# KiCad board prrplsattiny20_panel.kicad_pcb
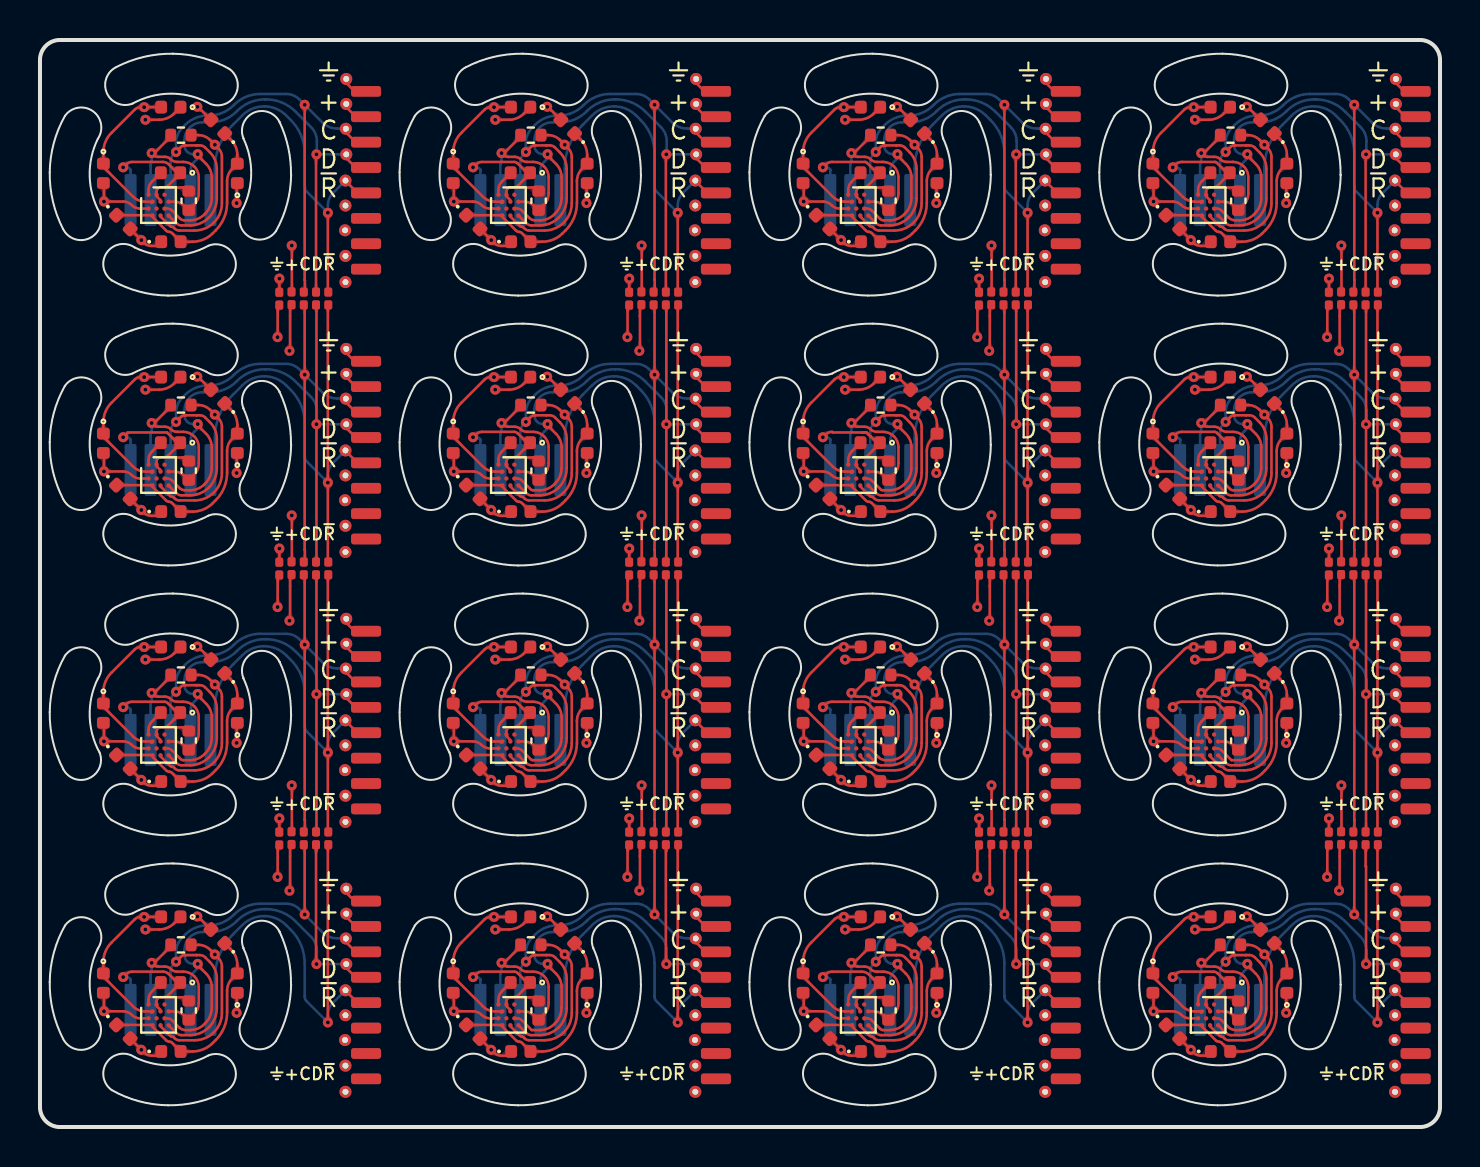
[diagram p0: board, top side]
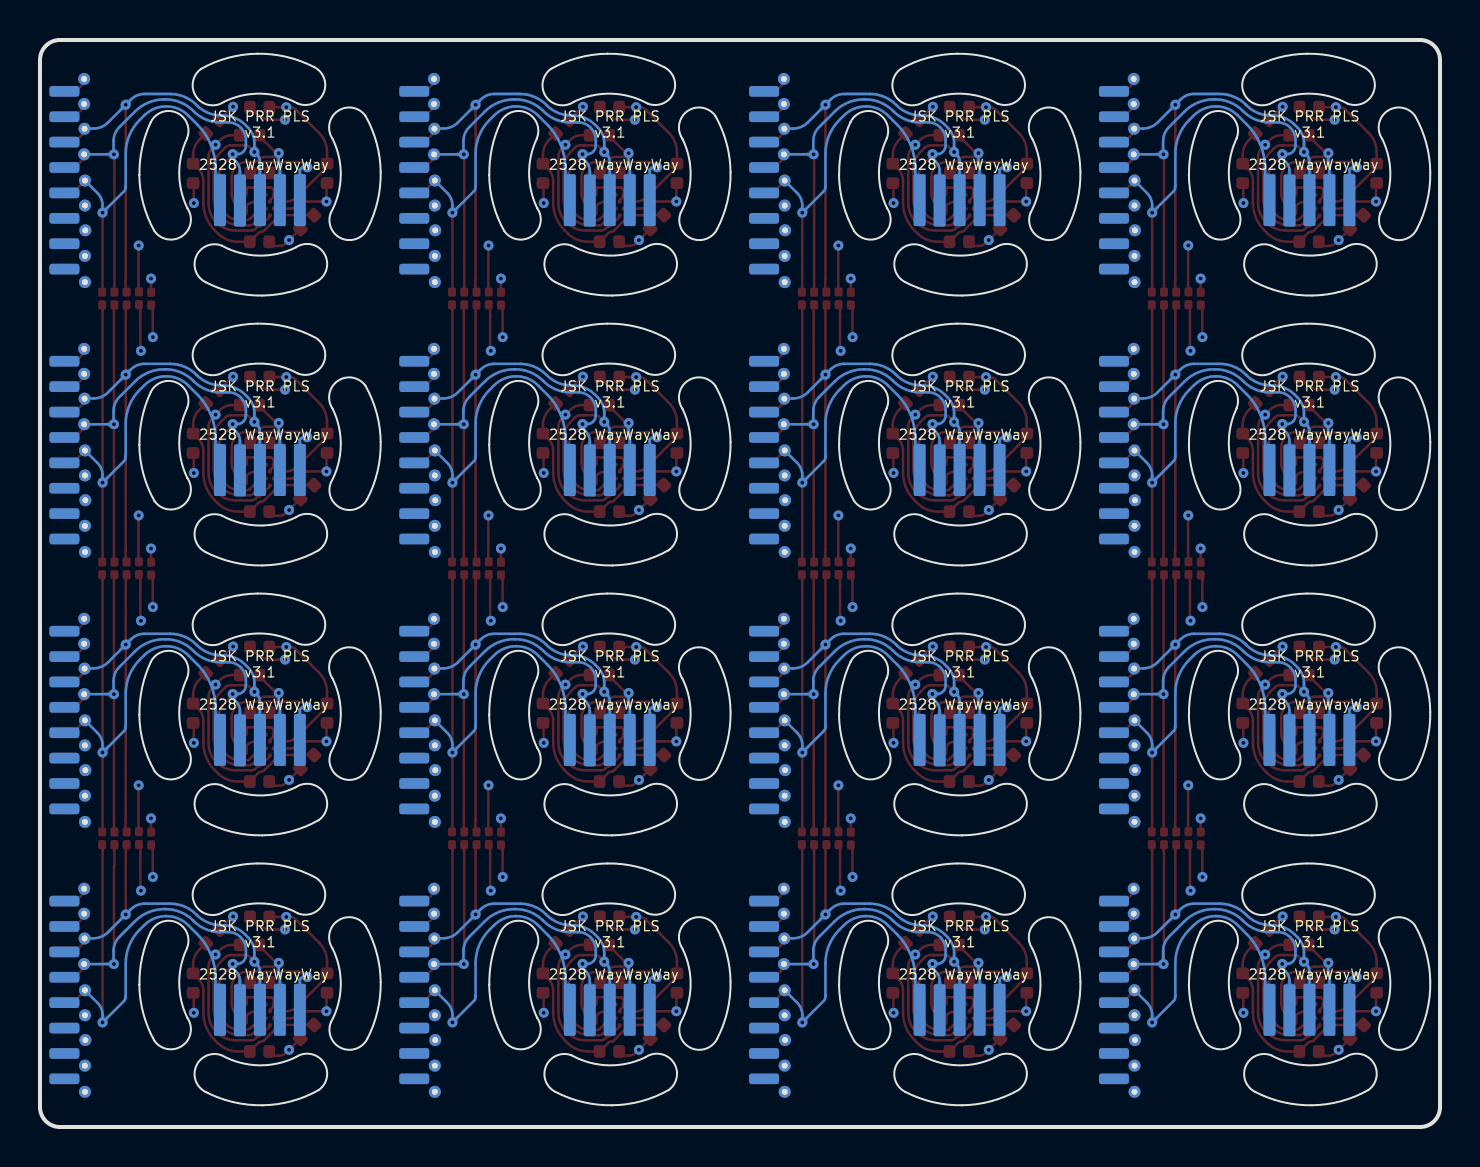
[diagram p1: board, bottom side, seen from below]

Outline 70.03 x 54.37 mm; copper layers: Top, In1.Cu, In2.Cu, Bottom. Coordinates in mm from the lower left corner of the outline.
Outline path: 0,53.37 arc(0.29,54.08) 1,54.37 69.03,54.37 arc(69.74,54.08) 70.03,53.37 70.03,1 arc(69.74,0.29) 69.03,0 1,0 arc(0.29,0.29) 0,1 0,53.37 ; 0.49,47.75 arc(0.69,49.21) 1.25,50.57 arc(2.64,50.82) 2.89,49.43 arc(2.49,47.57) 2.98,45.73 arc(2.46,44.45) 1.16,44.91 arc(0.65,46.29) 0.49,47.75 ; 0.49,34.25 arc(0.69,35.71) 1.25,37.07 arc(2.64,37.32) 2.89,35.93 arc(2.49,34.07) 2.98,32.23 arc(2.46,30.95) 1.16,31.41 arc(0.65,32.79) 0.49,34.25 ; 0.49,20.75 arc(0.69,22.21) 1.25,23.57 arc(2.64,23.82) 2.89,22.43 arc(2.49,20.57) 2.98,18.73 arc(2.46,17.45) 1.16,17.91 arc(0.65,19.29) 0.49,20.75 ; 0.49,7.25 arc(0.69,8.71) 1.25,10.07 arc(2.64,10.32) 2.89,8.93 arc(2.49,7.07) 2.98,5.23 arc(2.46,3.95) 1.16,4.41 arc(0.65,5.79) 0.49,7.25 ; 3.59,42.35 arc(3.34,43.74) 4.73,43.99 arc(6.59,43.59) 8.43,44.08 arc(9.71,43.56) 9.25,42.26 arc(7.87,41.75) 6.41,41.59 arc(4.95,41.79) 3.59,42.35 ; 3.59,28.85 arc(3.34,30.24) 4.73,30.49 arc(6.59,30.09) 8.43,30.58 arc(9.71,30.06) 9.25,28.76 arc(7.87,28.25) 6.41,28.09 arc(4.95,28.29) 3.59,28.85 ; 3.59,15.35 arc(3.34,16.74) 4.73,16.99 arc(6.59,16.59) 8.43,17.08 arc(9.71,16.56) 9.25,15.26 arc(7.87,14.75) 6.41,14.59 arc(4.95,14.79) 3.59,15.35 ; 3.59,1.85 arc(3.34,3.24) 4.73,3.49 arc(6.59,3.09) 8.43,3.58 arc(9.71,3.06) 9.25,1.76 arc(7.87,1.25) 6.41,1.09 arc(4.95,1.29) 3.59,1.85 ; 3.81,53.01 arc(5.19,53.52) 6.65,53.68 arc(8.11,53.48) 9.47,52.92 arc(9.72,51.53) 8.33,51.28 arc(6.47,51.68) 4.63,51.19 arc(3.35,51.71) 3.81,53.01 ; 3.81,39.51 arc(5.19,40.02) 6.65,40.18 arc(8.11,39.98) 9.47,39.42 arc(9.72,38.03) 8.33,37.78 arc(6.47,38.18) 4.63,37.69 arc(3.35,38.21) 3.81,39.51 ; 3.81,26.01 arc(5.19,26.52) 6.65,26.68 arc(8.11,26.48) 9.47,25.92 arc(9.72,24.53) 8.33,24.28 arc(6.47,24.68) 4.63,24.19 arc(3.35,24.71) 3.81,26.01 ; 3.81,12.51 arc(5.19,13.02) 6.65,13.18 arc(8.11,12.98) 9.47,12.42 arc(9.72,11.03) 8.33,10.78 arc(6.47,11.18) 4.63,10.69 arc(3.35,11.21) 3.81,12.51 ; 10.17,49.46 10.17,49.44 arc(10.57,47.7) 10.16,45.95 arc(10.41,44.56) 11.8,44.81 arc(12.36,46.17) 12.56,47.63 12.56,47.63 arc(12.42,48.98) 11.98,50.27 arc(10.69,50.73) 10.17,49.46 ; 10.17,35.96 10.17,35.94 arc(10.57,34.2) 10.16,32.45 arc(10.41,31.06) 11.8,31.31 arc(12.36,32.67) 12.56,34.13 12.56,34.13 arc(12.42,35.48) 11.98,36.77 arc(10.69,37.23) 10.17,35.96 ; 10.17,22.46 10.17,22.44 arc(10.57,20.7) 10.16,18.95 arc(10.41,17.56) 11.8,17.81 arc(12.36,19.17) 12.56,20.63 12.56,20.63 arc(12.42,21.98) 11.98,23.27 arc(10.69,23.73) 10.17,22.46 ; 10.17,8.96 10.17,8.94 arc(10.57,7.2) 10.16,5.45 arc(10.41,4.06) 11.8,4.31 arc(12.36,5.67) 12.56,7.13 12.56,7.13 arc(12.42,8.48) 11.98,9.77 arc(10.69,10.23) 10.17,8.96 ; 17.99,47.75 arc(18.19,49.21) 18.75,50.57 arc(20.14,50.82) 20.39,49.43 arc(19.99,47.57) 20.48,45.73 arc(19.96,44.45) 18.66,44.91 arc(18.15,46.29) 17.99,47.75 ; 17.99,34.25 arc(18.19,35.71) 18.75,37.07 arc(20.14,37.32) 20.39,35.93 arc(19.99,34.07) 20.48,32.23 arc(19.96,30.95) 18.66,31.41 arc(18.15,32.79) 17.99,34.25 ; 17.99,20.75 arc(18.19,22.21) 18.75,23.57 arc(20.14,23.82) 20.39,22.43 arc(19.99,20.57) 20.48,18.73 arc(19.96,17.45) 18.66,17.91 arc(18.15,19.29) 17.99,20.75 ; 17.99,7.25 arc(18.19,8.71) 18.75,10.07 arc(20.14,10.32) 20.39,8.93 arc(19.99,7.07) 20.48,5.23 arc(19.96,3.95) 18.66,4.41 arc(18.15,5.79) 17.99,7.25 ; 21.09,42.35 arc(20.84,43.74) 22.23,43.99 arc(24.09,43.59) 25.93,44.08 arc(27.21,43.56) 26.75,42.26 arc(25.37,41.75) 23.91,41.59 arc(22.45,41.79) 21.09,42.35 ; 21.09,28.85 arc(20.84,30.24) 22.23,30.49 arc(24.09,30.09) 25.93,30.58 arc(27.21,30.06) 26.75,28.76 arc(25.37,28.25) 23.91,28.09 arc(22.45,28.29) 21.09,28.85 ; 21.09,15.35 arc(20.84,16.74) 22.23,16.99 arc(24.09,16.59) 25.93,17.08 arc(27.21,16.56) 26.75,15.26 arc(25.37,14.75) 23.91,14.59 arc(22.45,14.79) 21.09,15.35 ; 21.09,1.85 arc(20.84,3.24) 22.23,3.49 arc(24.09,3.09) 25.93,3.58 arc(27.21,3.06) 26.75,1.76 arc(25.37,1.25) 23.91,1.09 arc(22.45,1.29) 21.09,1.85 ; 21.31,53.01 arc(22.69,53.52) 24.15,53.68 arc(25.61,53.48) 26.97,52.92 arc(27.22,51.53) 25.83,51.28 arc(23.97,51.68) 22.13,51.19 arc(20.85,51.71) 21.31,53.01 ; 21.31,39.51 arc(22.69,40.02) 24.15,40.18 arc(25.61,39.98) 26.97,39.42 arc(27.22,38.03) 25.83,37.78 arc(23.97,38.18) 22.13,37.69 arc(20.85,38.21) 21.31,39.51 ; 21.31,26.01 arc(22.69,26.52) 24.15,26.68 arc(25.61,26.48) 26.97,25.92 arc(27.22,24.53) 25.83,24.28 arc(23.97,24.68) 22.13,24.19 arc(20.85,24.71) 21.31,26.01 ; 21.31,12.51 arc(22.69,13.02) 24.15,13.18 arc(25.61,12.98) 26.97,12.42 arc(27.22,11.03) 25.83,10.78 arc(23.97,11.18) 22.13,10.69 arc(20.85,11.21) 21.31,12.51 ; 27.67,49.46 27.67,49.44 arc(28.07,47.7) 27.66,45.95 arc(27.91,44.56) 29.3,44.81 arc(29.86,46.17) 30.06,47.63 30.06,47.63 arc(29.92,48.98) 29.48,50.27 arc(28.19,50.73) 27.67,49.46 ; 27.67,35.96 27.67,35.94 arc(28.07,34.2) 27.66,32.45 arc(27.91,31.06) 29.3,31.31 arc(29.86,32.67) 30.06,34.13 30.06,34.13 arc(29.92,35.48) 29.48,36.77 arc(28.19,37.23) 27.67,35.96 ; 27.67,22.46 27.67,22.44 arc(28.07,20.7) 27.66,18.95 arc(27.91,17.56) 29.3,17.81 arc(29.86,19.17) 30.06,20.63 30.06,20.63 arc(29.92,21.98) 29.48,23.27 arc(28.19,23.73) 27.67,22.46 ; 27.67,8.96 27.67,8.94 arc(28.07,7.2) 27.66,5.45 arc(27.91,4.06) 29.3,4.31 arc(29.86,5.67) 30.06,7.13 30.06,7.13 arc(29.92,8.48) 29.48,9.77 arc(28.19,10.23) 27.67,8.96 ; 35.49,47.75 arc(35.69,49.21) 36.25,50.57 arc(37.64,50.82) 37.89,49.43 arc(37.49,47.57) 37.98,45.73 arc(37.46,44.45) 36.16,44.91 arc(35.65,46.29) 35.49,47.75 ; 35.49,34.25 arc(35.69,35.71) 36.25,37.07 arc(37.64,37.32) 37.89,35.93 arc(37.49,34.07) 37.98,32.23 arc(37.46,30.95) 36.16,31.41 arc(35.65,32.79) 35.49,34.25 ; 35.49,20.75 arc(35.69,22.21) 36.25,23.57 arc(37.64,23.82) 37.89,22.43 arc(37.49,20.57) 37.98,18.73 arc(37.46,17.45) 36.16,17.91 arc(35.65,19.29) 35.49,20.75 ; 35.49,7.25 arc(35.69,8.71) 36.25,10.07 arc(37.64,10.32) 37.89,8.93 arc(37.49,7.07) 37.98,5.23 arc(37.46,3.95) 36.16,4.41 arc(35.65,5.79) 35.49,7.25 ; 38.59,42.35 arc(38.34,43.74) 39.73,43.99 arc(41.59,43.59) 43.43,44.08 arc(44.71,43.56) 44.25,42.26 arc(42.87,41.75) 41.41,41.59 arc(39.95,41.79) 38.59,42.35 ; 38.59,28.85 arc(38.34,30.24) 39.73,30.49 arc(41.59,30.09) 43.43,30.58 arc(44.71,30.06) 44.25,28.76 arc(42.87,28.25) 41.41,28.09 arc(39.95,28.29) 38.59,28.85 ; 38.59,15.35 arc(38.34,16.74) 39.73,16.99 arc(41.59,16.59) 43.43,17.08 arc(44.71,16.56) 44.25,15.26 arc(42.87,14.75) 41.41,14.59 arc(39.95,14.79) 38.59,15.35 ; 38.59,1.85 arc(38.34,3.24) 39.73,3.49 arc(41.59,3.09) 43.43,3.58 arc(44.71,3.06) 44.25,1.76 arc(42.87,1.25) 41.41,1.09 arc(39.95,1.29) 38.59,1.85 ; 38.81,53.01 arc(40.19,53.52) 41.65,53.68 arc(43.11,53.48) 44.47,52.92 arc(44.72,51.53) 43.33,51.28 arc(41.47,51.68) 39.63,51.19 arc(38.35,51.71) 38.81,53.01 ; 38.81,39.51 arc(40.19,40.02) 41.65,40.18 arc(43.11,39.98) 44.47,39.42 arc(44.72,38.03) 43.33,37.78 arc(41.47,38.18) 39.63,37.69 arc(38.35,38.21) 38.81,39.51 ; 38.81,26.01 arc(40.19,26.52) 41.65,26.68 arc(43.11,26.48) 44.47,25.92 arc(44.72,24.53) 43.33,24.28 arc(41.47,24.68) 39.63,24.19 arc(38.35,24.71) 38.81,26.01 ; 38.81,12.51 arc(40.19,13.02) 41.65,13.18 arc(43.11,12.98) 44.47,12.42 arc(44.72,11.03) 43.33,10.78 arc(41.47,11.18) 39.63,10.69 arc(38.35,11.21) 38.81,12.51 ; 45.17,49.46 45.17,49.44 arc(45.57,47.7) 45.16,45.95 arc(45.41,44.56) 46.8,44.81 arc(47.36,46.17) 47.56,47.63 47.56,47.63 arc(47.42,48.98) 46.98,50.27 arc(45.69,50.73) 45.17,49.46 ; 45.17,35.96 45.17,35.94 arc(45.57,34.2) 45.16,32.45 arc(45.41,31.06) 46.8,31.31 arc(47.36,32.67) 47.56,34.13 47.56,34.13 arc(47.42,35.48) 46.98,36.77 arc(45.69,37.23) 45.17,35.96 ; 45.17,22.46 45.17,22.44 arc(45.57,20.7) 45.16,18.95 arc(45.41,17.56) 46.8,17.81 arc(47.36,19.17) 47.56,20.63 47.56,20.63 arc(47.42,21.98) 46.98,23.27 arc(45.69,23.73) 45.17,22.46 ; 45.17,8.96 45.17,8.94 arc(45.57,7.2) 45.16,5.45 arc(45.41,4.06) 46.8,4.31 arc(47.36,5.67) 47.56,7.13 47.56,7.13 arc(47.42,8.48) 46.98,9.77 arc(45.69,10.23) 45.17,8.96 ; 52.99,47.75 arc(53.19,49.21) 53.75,50.57 arc(55.14,50.82) 55.39,49.43 arc(54.99,47.57) 55.48,45.73 arc(54.96,44.45) 53.66,44.91 arc(53.15,46.29) 52.99,47.75 ; 52.99,34.25 arc(53.19,35.71) 53.75,37.07 arc(55.14,37.32) 55.39,35.93 arc(54.99,34.07) 55.48,32.23 arc(54.96,30.95) 53.66,31.41 arc(53.15,32.79) 52.99,34.25 ; 52.99,20.75 arc(53.19,22.21) 53.75,23.57 arc(55.14,23.82) 55.39,22.43 arc(54.99,20.57) 55.48,18.73 arc(54.96,17.45) 53.66,17.91 arc(53.15,19.29) 52.99,20.75 ; 52.99,7.25 arc(53.19,8.71) 53.75,10.07 arc(55.14,10.32) 55.39,8.93 arc(54.99,7.07) 55.48,5.23 arc(54.96,3.95) 53.66,4.41 arc(53.15,5.79) 52.99,7.25 ; 56.09,42.35 arc(55.84,43.74) 57.23,43.99 arc(59.09,43.59) 60.93,44.08 arc(62.21,43.56) 61.75,42.26 arc(60.37,41.75) 58.91,41.59 arc(57.45,41.79) 56.09,42.35 ; 56.09,28.85 arc(55.84,30.24) 57.23,30.49 arc(59.09,30.09) 60.93,30.58 arc(62.21,30.06) 61.75,28.76 arc(60.37,28.25) 58.91,28.09 arc(57.45,28.29) 56.09,28.85 ; 56.09,15.35 arc(55.84,16.74) 57.23,16.99 arc(59.09,16.59) 60.93,17.08 arc(62.21,16.56) 61.75,15.26 arc(60.37,14.75) 58.91,14.59 arc(57.45,14.79) 56.09,15.35 ; 56.09,1.85 arc(55.84,3.24) 57.23,3.49 arc(59.09,3.09) 60.93,3.58 arc(62.21,3.06) 61.75,1.76 arc(60.37,1.25) 58.91,1.09 arc(57.45,1.29) 56.09,1.85 ; 56.31,53.01 arc(57.69,53.52) 59.15,53.68 arc(60.61,53.48) 61.97,52.92 arc(62.22,51.53) 60.83,51.28 arc(58.97,51.68) 57.13,51.19 arc(55.85,51.71) 56.31,53.01 ; 56.31,39.51 arc(57.69,40.02) 59.15,40.18 arc(60.61,39.98) 61.97,39.42 arc(62.22,38.03) 60.83,37.78 arc(58.97,38.18) 57.13,37.69 arc(55.85,38.21) 56.31,39.51 ; 56.31,26.01 arc(57.69,26.52) 59.15,26.68 arc(60.61,26.48) 61.97,25.92 arc(62.22,24.53) 60.83,24.28 arc(58.97,24.68) 57.13,24.19 arc(55.85,24.71) 56.31,26.01 ; 56.31,12.51 arc(57.69,13.02) 59.15,13.18 arc(60.61,12.98) 61.97,12.42 arc(62.22,11.03) 60.83,10.78 arc(58.97,11.18) 57.13,10.69 arc(55.85,11.21) 56.31,12.51 ; 62.67,49.46 62.67,49.44 arc(63.07,47.7) 62.66,45.95 arc(62.91,44.56) 64.3,44.81 arc(64.86,46.17) 65.06,47.63 65.06,47.63 arc(64.92,48.98) 64.48,50.27 arc(63.19,50.73) 62.67,49.46 ; 62.67,35.96 62.67,35.94 arc(63.07,34.2) 62.66,32.45 arc(62.91,31.06) 64.3,31.31 arc(64.86,32.67) 65.06,34.13 65.06,34.13 arc(64.92,35.48) 64.48,36.77 arc(63.19,37.23) 62.67,35.96 ; 62.67,22.46 62.67,22.44 arc(63.07,20.7) 62.66,18.95 arc(62.91,17.56) 64.3,17.81 arc(64.86,19.17) 65.06,20.63 65.06,20.63 arc(64.92,21.98) 64.48,23.27 arc(63.19,23.73) 62.67,22.46 ; 62.67,8.96 62.67,8.94 arc(63.07,7.2) 62.66,5.45 arc(62.91,4.06) 64.3,4.31 arc(64.86,5.67) 65.06,7.13 65.06,7.13 arc(64.92,8.48) 64.48,9.77 arc(63.19,10.23) 62.67,8.96
Stack: Top 0.035mm / dielectric 0.1mm FR4 er 4.5 / In1.Cu 0.035mm / dielectric 1.24mm FR4 er 4.5 / In2.Cu 0.035mm / dielectric 0.1mm FR4 er 4.5 / Bottom 0.035mm

## Placement (name value [footprint] x y rotation side)
C1  100nF  [C_0402_1005Metric]  59.94 5.83 90 top
C2  100nF  [C_0402_1005Metric]  7.44 46.33 90 top
C3  100nF  [C_0402_1005Metric]  24.94 46.33 90 top
C4  100nF  [C_0402_1005Metric]  42.44 46.33 90 top
C5  100nF  [C_0402_1005Metric]  59.94 46.33 90 top
C6  100nF  [C_0402_1005Metric]  7.44 32.83 90 top
C7  100nF  [C_0402_1005Metric]  24.94 32.83 90 top
C8  100nF  [C_0402_1005Metric]  42.44 32.83 90 top
C9  100nF  [C_0402_1005Metric]  59.94 32.83 90 top
C10  100nF  [C_0402_1005Metric]  7.44 19.33 90 top
C11  100nF  [C_0402_1005Metric]  24.94 19.33 90 top
C12  100nF  [C_0402_1005Metric]  42.44 19.33 90 top
C13  100nF  [C_0402_1005Metric]  59.94 19.33 90 top
C14  100nF  [C_0402_1005Metric]  7.44 5.83 90 top
C15  100nF  [C_0402_1005Metric]  24.94 5.83 90 top
C16  100nF  [C_0402_1005Metric]  42.44 5.83 90 top
D1  YELLOW LED  [LED_0402_1005Metric]  59.04 10.51 180 top
D2  YELLOW LED  [LED_0402_1005Metric]  61.4 9.53 135 top
D3  YELLOW LED  [LED_0402_1005Metric]  55.67 7.2 270 top
D4  YELLOW LED  [LED_0402_1005Metric]  59.03 7.23 180 top
D5  YELLOW LED  [LED_0402_1005Metric]  62.37 7.2 90 top
D6  YELLOW LED  [LED_0402_1005Metric]  56.67 4.76 315 top
D7  YELLOW LED  [LED_0402_1005Metric]  59.05 3.78 0 top
D8  YELLOW LED  [LED_0402_1005Metric]  6.54 51.01 180 top
D9  YELLOW LED  [LED_0402_1005Metric]  8.9 50.03 135 top
D10  YELLOW LED  [LED_0402_1005Metric]  3.17 47.7 270 top
D11  YELLOW LED  [LED_0402_1005Metric]  6.53 47.73 180 top
D12  YELLOW LED  [LED_0402_1005Metric]  9.87 47.7 90 top
D13  YELLOW LED  [LED_0402_1005Metric]  4.17 45.26 315 top
D14  YELLOW LED  [LED_0402_1005Metric]  6.55 44.28 0 top
D15  YELLOW LED  [LED_0402_1005Metric]  24.04 51.01 180 top
D16  YELLOW LED  [LED_0402_1005Metric]  26.4 50.03 135 top
D17  YELLOW LED  [LED_0402_1005Metric]  20.67 47.7 270 top
D18  YELLOW LED  [LED_0402_1005Metric]  24.03 47.73 180 top
D19  YELLOW LED  [LED_0402_1005Metric]  27.37 47.7 90 top
D20  YELLOW LED  [LED_0402_1005Metric]  21.67 45.26 315 top
D21  YELLOW LED  [LED_0402_1005Metric]  24.05 44.28 0 top
D22  YELLOW LED  [LED_0402_1005Metric]  41.54 51.01 180 top
D23  YELLOW LED  [LED_0402_1005Metric]  43.9 50.03 135 top
D24  YELLOW LED  [LED_0402_1005Metric]  38.17 47.7 270 top
D25  YELLOW LED  [LED_0402_1005Metric]  41.53 47.73 180 top
D26  YELLOW LED  [LED_0402_1005Metric]  44.87 47.7 90 top
D27  YELLOW LED  [LED_0402_1005Metric]  39.17 45.26 315 top
D28  YELLOW LED  [LED_0402_1005Metric]  41.55 44.28 0 top
D29  YELLOW LED  [LED_0402_1005Metric]  59.04 51.01 180 top
D30  YELLOW LED  [LED_0402_1005Metric]  61.4 50.03 135 top
D31  YELLOW LED  [LED_0402_1005Metric]  55.67 47.7 270 top
D32  YELLOW LED  [LED_0402_1005Metric]  59.03 47.73 180 top
D33  YELLOW LED  [LED_0402_1005Metric]  62.37 47.7 90 top
D34  YELLOW LED  [LED_0402_1005Metric]  56.67 45.26 315 top
D35  YELLOW LED  [LED_0402_1005Metric]  59.05 44.28 0 top
D36  YELLOW LED  [LED_0402_1005Metric]  6.54 37.51 180 top
D37  YELLOW LED  [LED_0402_1005Metric]  8.9 36.53 135 top
D38  YELLOW LED  [LED_0402_1005Metric]  3.17 34.2 270 top
D39  YELLOW LED  [LED_0402_1005Metric]  6.53 34.23 180 top
D40  YELLOW LED  [LED_0402_1005Metric]  9.87 34.2 90 top
D41  YELLOW LED  [LED_0402_1005Metric]  4.17 31.76 315 top
D42  YELLOW LED  [LED_0402_1005Metric]  6.55 30.78 0 top
D43  YELLOW LED  [LED_0402_1005Metric]  24.04 37.51 180 top
D44  YELLOW LED  [LED_0402_1005Metric]  26.4 36.53 135 top
D45  YELLOW LED  [LED_0402_1005Metric]  20.67 34.2 270 top
D46  YELLOW LED  [LED_0402_1005Metric]  24.03 34.23 180 top
D47  YELLOW LED  [LED_0402_1005Metric]  27.37 34.2 90 top
D48  YELLOW LED  [LED_0402_1005Metric]  21.67 31.76 315 top
D49  YELLOW LED  [LED_0402_1005Metric]  24.05 30.78 0 top
D50  YELLOW LED  [LED_0402_1005Metric]  41.54 37.51 180 top
D51  YELLOW LED  [LED_0402_1005Metric]  43.9 36.53 135 top
D52  YELLOW LED  [LED_0402_1005Metric]  38.17 34.2 270 top
D53  YELLOW LED  [LED_0402_1005Metric]  41.53 34.23 180 top
D54  YELLOW LED  [LED_0402_1005Metric]  44.87 34.2 90 top
D55  YELLOW LED  [LED_0402_1005Metric]  39.17 31.76 315 top
D56  YELLOW LED  [LED_0402_1005Metric]  41.55 30.78 0 top
D57  YELLOW LED  [LED_0402_1005Metric]  59.04 37.51 180 top
D58  YELLOW LED  [LED_0402_1005Metric]  61.4 36.53 135 top
D59  YELLOW LED  [LED_0402_1005Metric]  55.67 34.2 270 top
D60  YELLOW LED  [LED_0402_1005Metric]  59.03 34.23 180 top
D61  YELLOW LED  [LED_0402_1005Metric]  62.37 34.2 90 top
D62  YELLOW LED  [LED_0402_1005Metric]  56.67 31.76 315 top
D63  YELLOW LED  [LED_0402_1005Metric]  59.05 30.78 0 top
D64  YELLOW LED  [LED_0402_1005Metric]  6.54 24.01 180 top
D65  YELLOW LED  [LED_0402_1005Metric]  8.9 23.03 135 top
D66  YELLOW LED  [LED_0402_1005Metric]  3.17 20.7 270 top
D67  YELLOW LED  [LED_0402_1005Metric]  6.53 20.73 180 top
D68  YELLOW LED  [LED_0402_1005Metric]  9.87 20.7 90 top
D69  YELLOW LED  [LED_0402_1005Metric]  4.17 18.26 315 top
D70  YELLOW LED  [LED_0402_1005Metric]  6.55 17.28 0 top
D71  YELLOW LED  [LED_0402_1005Metric]  24.04 24.01 180 top
D72  YELLOW LED  [LED_0402_1005Metric]  26.4 23.03 135 top
D73  YELLOW LED  [LED_0402_1005Metric]  20.67 20.7 270 top
D74  YELLOW LED  [LED_0402_1005Metric]  24.03 20.73 180 top
D75  YELLOW LED  [LED_0402_1005Metric]  27.37 20.7 90 top
D76  YELLOW LED  [LED_0402_1005Metric]  21.67 18.26 315 top
D77  YELLOW LED  [LED_0402_1005Metric]  24.05 17.28 0 top
D78  YELLOW LED  [LED_0402_1005Metric]  41.54 24.01 180 top
D79  YELLOW LED  [LED_0402_1005Metric]  43.9 23.03 135 top
D80  YELLOW LED  [LED_0402_1005Metric]  38.17 20.7 270 top
D81  YELLOW LED  [LED_0402_1005Metric]  41.53 20.73 180 top
D82  YELLOW LED  [LED_0402_1005Metric]  44.87 20.7 90 top
D83  YELLOW LED  [LED_0402_1005Metric]  39.17 18.26 315 top
D84  YELLOW LED  [LED_0402_1005Metric]  41.55 17.28 0 top
D85  YELLOW LED  [LED_0402_1005Metric]  59.04 24.01 180 top
D86  YELLOW LED  [LED_0402_1005Metric]  61.4 23.03 135 top
D87  YELLOW LED  [LED_0402_1005Metric]  55.67 20.7 270 top
D88  YELLOW LED  [LED_0402_1005Metric]  59.03 20.73 180 top
D89  YELLOW LED  [LED_0402_1005Metric]  62.37 20.7 90 top
D90  YELLOW LED  [LED_0402_1005Metric]  56.67 18.26 315 top
D91  YELLOW LED  [LED_0402_1005Metric]  59.05 17.28 0 top
D92  YELLOW LED  [LED_0402_1005Metric]  6.54 10.51 180 top
D93  YELLOW LED  [LED_0402_1005Metric]  8.9 9.53 135 top
D94  YELLOW LED  [LED_0402_1005Metric]  3.17 7.2 270 top
D95  YELLOW LED  [LED_0402_1005Metric]  6.53 7.23 180 top
D96  YELLOW LED  [LED_0402_1005Metric]  9.87 7.2 90 top
D97  YELLOW LED  [LED_0402_1005Metric]  4.17 4.76 315 top
D98  YELLOW LED  [LED_0402_1005Metric]  6.55 3.78 0 top
D99  YELLOW LED  [LED_0402_1005Metric]  24.04 10.51 180 top
D100  YELLOW LED  [LED_0402_1005Metric]  26.4 9.53 135 top
D101  YELLOW LED  [LED_0402_1005Metric]  20.67 7.2 270 top
D102  YELLOW LED  [LED_0402_1005Metric]  24.03 7.23 180 top
D103  YELLOW LED  [LED_0402_1005Metric]  27.37 7.2 90 top
D104  YELLOW LED  [LED_0402_1005Metric]  21.67 4.76 315 top
D105  YELLOW LED  [LED_0402_1005Metric]  24.05 3.78 0 top
D106  YELLOW LED  [LED_0402_1005Metric]  41.54 10.51 180 top
D107  YELLOW LED  [LED_0402_1005Metric]  43.9 9.53 135 top
D108  YELLOW LED  [LED_0402_1005Metric]  38.17 7.2 270 top
D109  YELLOW LED  [LED_0402_1005Metric]  41.53 7.23 180 top
D110  YELLOW LED  [LED_0402_1005Metric]  44.87 7.2 90 top
D111  YELLOW LED  [LED_0402_1005Metric]  39.17 4.76 315 top
D112  YELLOW LED  [LED_0402_1005Metric]  41.55 3.78 0 top
J1  Conn_02x08_Counter_Clockwise  [16-pin-clip-dbg]  68.97 12.54 0 top
J2  SEI-105-02-GF-S-M-AT  [sei-105-mating]  59.03 6.99 90 bottom  (not fitted)
J3  Conn_02x08_Counter_Clockwise  [16-pin-clip-dbg]  16.47 53.04 0 top
J4  SEI-105-02-GF-S-M-AT  [sei-105-mating]  6.53 47.49 90 bottom  (not fitted)
J5  Conn_02x08_Counter_Clockwise  [16-pin-clip-dbg]  33.97 53.04 0 top
J6  SEI-105-02-GF-S-M-AT  [sei-105-mating]  24.03 47.49 90 bottom  (not fitted)
J7  Conn_02x08_Counter_Clockwise  [16-pin-clip-dbg]  51.47 53.04 0 top
J8  SEI-105-02-GF-S-M-AT  [sei-105-mating]  41.53 47.49 90 bottom  (not fitted)
J9  Conn_02x08_Counter_Clockwise  [16-pin-clip-dbg]  68.97 53.04 0 top
J10  SEI-105-02-GF-S-M-AT  [sei-105-mating]  59.03 47.49 90 bottom  (not fitted)
J11  Conn_02x08_Counter_Clockwise  [16-pin-clip-dbg]  16.47 39.54 0 top
J12  SEI-105-02-GF-S-M-AT  [sei-105-mating]  6.53 33.99 90 bottom  (not fitted)
J13  Conn_02x08_Counter_Clockwise  [16-pin-clip-dbg]  33.97 39.54 0 top
J14  SEI-105-02-GF-S-M-AT  [sei-105-mating]  24.03 33.99 90 bottom  (not fitted)
J15  Conn_02x08_Counter_Clockwise  [16-pin-clip-dbg]  51.47 39.54 0 top
J16  SEI-105-02-GF-S-M-AT  [sei-105-mating]  41.53 33.99 90 bottom  (not fitted)
J17  Conn_02x08_Counter_Clockwise  [16-pin-clip-dbg]  68.97 39.54 0 top
J18  SEI-105-02-GF-S-M-AT  [sei-105-mating]  59.03 33.99 90 bottom  (not fitted)
J19  Conn_02x08_Counter_Clockwise  [16-pin-clip-dbg]  16.47 26.04 0 top
J20  SEI-105-02-GF-S-M-AT  [sei-105-mating]  6.53 20.49 90 bottom  (not fitted)
J21  Conn_02x08_Counter_Clockwise  [16-pin-clip-dbg]  33.97 26.04 0 top
J22  SEI-105-02-GF-S-M-AT  [sei-105-mating]  24.03 20.49 90 bottom  (not fitted)
J23  Conn_02x08_Counter_Clockwise  [16-pin-clip-dbg]  51.47 26.04 0 top
J24  SEI-105-02-GF-S-M-AT  [sei-105-mating]  41.53 20.49 90 bottom  (not fitted)
J25  Conn_02x08_Counter_Clockwise  [16-pin-clip-dbg]  68.97 26.04 0 top
J26  SEI-105-02-GF-S-M-AT  [sei-105-mating]  59.03 20.49 90 bottom  (not fitted)
J27  Conn_02x08_Counter_Clockwise  [16-pin-clip-dbg]  16.47 12.54 0 top
J28  SEI-105-02-GF-S-M-AT  [sei-105-mating]  6.53 6.99 90 bottom  (not fitted)
J29  Conn_02x08_Counter_Clockwise  [16-pin-clip-dbg]  33.97 12.54 0 top
J30  SEI-105-02-GF-S-M-AT  [sei-105-mating]  24.03 6.99 90 bottom  (not fitted)
J31  Conn_02x08_Counter_Clockwise  [16-pin-clip-dbg]  51.47 12.54 0 top
J32  SEI-105-02-GF-S-M-AT  [sei-105-mating]  41.53 6.99 90 bottom  (not fitted)
JP1006  SolderJumper_2_Open  [solderbridge_R_0201_0603Metric_as_solderbridge]  11.97 41.43 90 top  (not fitted)
JP1007  SolderJumper_2_Open  [solderbridge_R_0201_0603Metric_as_solderbridge]  12.58 41.45 90 top  (not fitted)
JP1008  SolderJumper_2_Open  [solderbridge_R_0201_0603Metric_as_solderbridge]  13.19 41.44 90 top  (not fitted)
JP1009  SolderJumper_2_Open  [solderbridge_R_0201_0603Metric_as_solderbridge]  13.81 41.44 90 top  (not fitted)
JP1010  SolderJumper_2_Open  [solderbridge_R_0201_0603Metric_as_solderbridge]  14.42 41.44 90 top  (not fitted)
JP1011  SolderJumper_2_Open  [solderbridge_R_0201_0603Metric_as_solderbridge]  29.47 41.43 90 top  (not fitted)
JP1012  SolderJumper_2_Open  [solderbridge_R_0201_0603Metric_as_solderbridge]  30.08 41.45 90 top  (not fitted)
JP1013  SolderJumper_2_Open  [solderbridge_R_0201_0603Metric_as_solderbridge]  30.69 41.44 90 top  (not fitted)
JP1014  SolderJumper_2_Open  [solderbridge_R_0201_0603Metric_as_solderbridge]  31.31 41.44 90 top  (not fitted)
JP1015  SolderJumper_2_Open  [solderbridge_R_0201_0603Metric_as_solderbridge]  31.92 41.44 90 top  (not fitted)
JP1016  SolderJumper_2_Open  [solderbridge_R_0201_0603Metric_as_solderbridge]  46.97 41.43 90 top  (not fitted)
JP1017  SolderJumper_2_Open  [solderbridge_R_0201_0603Metric_as_solderbridge]  47.58 41.45 90 top  (not fitted)
JP1018  SolderJumper_2_Open  [solderbridge_R_0201_0603Metric_as_solderbridge]  48.19 41.44 90 top  (not fitted)
JP1019  SolderJumper_2_Open  [solderbridge_R_0201_0603Metric_as_solderbridge]  48.81 41.44 90 top  (not fitted)
JP1020  SolderJumper_2_Open  [solderbridge_R_0201_0603Metric_as_solderbridge]  49.42 41.44 90 top  (not fitted)
JP1021  SolderJumper_2_Open  [solderbridge_R_0201_0603Metric_as_solderbridge]  64.47 41.43 90 top  (not fitted)
JP1022  SolderJumper_2_Open  [solderbridge_R_0201_0603Metric_as_solderbridge]  65.08 41.45 90 top  (not fitted)
JP1023  SolderJumper_2_Open  [solderbridge_R_0201_0603Metric_as_solderbridge]  65.7 41.44 90 top  (not fitted)
JP1024  SolderJumper_2_Open  [solderbridge_R_0201_0603Metric_as_solderbridge]  66.31 41.44 90 top  (not fitted)
JP1025  SolderJumper_2_Open  [solderbridge_R_0201_0603Metric_as_solderbridge]  66.92 41.44 90 top  (not fitted)
JP1026  SolderJumper_2_Open  [solderbridge_R_0201_0603Metric_as_solderbridge]  11.97 27.93 90 top  (not fitted)
JP1027  SolderJumper_2_Open  [solderbridge_R_0201_0603Metric_as_solderbridge]  12.58 27.95 90 top  (not fitted)
JP1028  SolderJumper_2_Open  [solderbridge_R_0201_0603Metric_as_solderbridge]  13.19 27.94 90 top  (not fitted)
JP1029  SolderJumper_2_Open  [solderbridge_R_0201_0603Metric_as_solderbridge]  13.81 27.94 90 top  (not fitted)
JP1030  SolderJumper_2_Open  [solderbridge_R_0201_0603Metric_as_solderbridge]  14.42 27.94 90 top  (not fitted)
JP1031  SolderJumper_2_Open  [solderbridge_R_0201_0603Metric_as_solderbridge]  29.47 27.93 90 top  (not fitted)
JP1032  SolderJumper_2_Open  [solderbridge_R_0201_0603Metric_as_solderbridge]  30.08 27.95 90 top  (not fitted)
JP1033  SolderJumper_2_Open  [solderbridge_R_0201_0603Metric_as_solderbridge]  30.69 27.94 90 top  (not fitted)
JP1034  SolderJumper_2_Open  [solderbridge_R_0201_0603Metric_as_solderbridge]  31.31 27.94 90 top  (not fitted)
JP1035  SolderJumper_2_Open  [solderbridge_R_0201_0603Metric_as_solderbridge]  31.92 27.94 90 top  (not fitted)
JP1036  SolderJumper_2_Open  [solderbridge_R_0201_0603Metric_as_solderbridge]  46.97 27.93 90 top  (not fitted)
JP1037  SolderJumper_2_Open  [solderbridge_R_0201_0603Metric_as_solderbridge]  47.58 27.95 90 top  (not fitted)
JP1038  SolderJumper_2_Open  [solderbridge_R_0201_0603Metric_as_solderbridge]  48.19 27.94 90 top  (not fitted)
JP1039  SolderJumper_2_Open  [solderbridge_R_0201_0603Metric_as_solderbridge]  48.81 27.94 90 top  (not fitted)
JP1040  SolderJumper_2_Open  [solderbridge_R_0201_0603Metric_as_solderbridge]  49.42 27.94 90 top  (not fitted)
JP1041  SolderJumper_2_Open  [solderbridge_R_0201_0603Metric_as_solderbridge]  64.47 27.93 90 top  (not fitted)
JP1042  SolderJumper_2_Open  [solderbridge_R_0201_0603Metric_as_solderbridge]  65.08 27.95 90 top  (not fitted)
JP1043  SolderJumper_2_Open  [solderbridge_R_0201_0603Metric_as_solderbridge]  65.7 27.94 90 top  (not fitted)
JP1044  SolderJumper_2_Open  [solderbridge_R_0201_0603Metric_as_solderbridge]  66.31 27.94 90 top  (not fitted)
JP1045  SolderJumper_2_Open  [solderbridge_R_0201_0603Metric_as_solderbridge]  66.92 27.94 90 top  (not fitted)
JP1046  SolderJumper_2_Open  [solderbridge_R_0201_0603Metric_as_solderbridge]  11.97 14.43 90 top  (not fitted)
JP1047  SolderJumper_2_Open  [solderbridge_R_0201_0603Metric_as_solderbridge]  12.58 14.45 90 top  (not fitted)
JP1048  SolderJumper_2_Open  [solderbridge_R_0201_0603Metric_as_solderbridge]  13.19 14.44 90 top  (not fitted)
JP1049  SolderJumper_2_Open  [solderbridge_R_0201_0603Metric_as_solderbridge]  13.81 14.44 90 top  (not fitted)
JP1050  SolderJumper_2_Open  [solderbridge_R_0201_0603Metric_as_solderbridge]  14.42 14.44 90 top  (not fitted)
JP1051  SolderJumper_2_Open  [solderbridge_R_0201_0603Metric_as_solderbridge]  29.47 14.43 90 top  (not fitted)
JP1052  SolderJumper_2_Open  [solderbridge_R_0201_0603Metric_as_solderbridge]  30.08 14.45 90 top  (not fitted)
JP1053  SolderJumper_2_Open  [solderbridge_R_0201_0603Metric_as_solderbridge]  30.69 14.44 90 top  (not fitted)
JP1054  SolderJumper_2_Open  [solderbridge_R_0201_0603Metric_as_solderbridge]  31.31 14.44 90 top  (not fitted)
JP1055  SolderJumper_2_Open  [solderbridge_R_0201_0603Metric_as_solderbridge]  31.92 14.44 90 top  (not fitted)
JP1056  SolderJumper_2_Open  [solderbridge_R_0201_0603Metric_as_solderbridge]  46.97 14.43 90 top  (not fitted)
JP1057  SolderJumper_2_Open  [solderbridge_R_0201_0603Metric_as_solderbridge]  47.58 14.45 90 top  (not fitted)
JP1058  SolderJumper_2_Open  [solderbridge_R_0201_0603Metric_as_solderbridge]  48.19 14.44 90 top  (not fitted)
JP1059  SolderJumper_2_Open  [solderbridge_R_0201_0603Metric_as_solderbridge]  48.81 14.44 90 top  (not fitted)
JP1060  SolderJumper_2_Open  [solderbridge_R_0201_0603Metric_as_solderbridge]  49.42 14.44 90 top  (not fitted)
JP1061  SolderJumper_2_Open  [solderbridge_R_0201_0603Metric_as_solderbridge]  64.47 14.43 90 top  (not fitted)
JP1062  SolderJumper_2_Open  [solderbridge_R_0201_0603Metric_as_solderbridge]  65.08 14.45 90 top  (not fitted)
JP1063  SolderJumper_2_Open  [solderbridge_R_0201_0603Metric_as_solderbridge]  65.7 14.44 90 top  (not fitted)
JP1064  SolderJumper_2_Open  [solderbridge_R_0201_0603Metric_as_solderbridge]  66.31 14.44 90 top  (not fitted)
JP1065  SolderJumper_2_Open  [solderbridge_R_0201_0603Metric_as_solderbridge]  66.92 14.44 90 top  (not fitted)
R1  1M  [R_0402_1005Metric]  59.55 9.11 180 top
R2  1M  [R_0402_1005Metric]  7.05 49.61 180 top
R3  1M  [R_0402_1005Metric]  24.55 49.61 180 top
R4  1M  [R_0402_1005Metric]  42.05 49.61 180 top
R5  1M  [R_0402_1005Metric]  59.55 49.61 180 top
R6  1M  [R_0402_1005Metric]  7.05 36.11 180 top
R7  1M  [R_0402_1005Metric]  24.55 36.11 180 top
R8  1M  [R_0402_1005Metric]  42.05 36.11 180 top
R9  1M  [R_0402_1005Metric]  59.55 36.11 180 top
R10  1M  [R_0402_1005Metric]  7.05 22.61 180 top
R11  1M  [R_0402_1005Metric]  24.55 22.61 180 top
R12  1M  [R_0402_1005Metric]  42.05 22.61 180 top
R13  1M  [R_0402_1005Metric]  59.55 22.61 180 top
R14  1M  [R_0402_1005Metric]  7.05 9.11 180 top
R15  1M  [R_0402_1005Metric]  24.55 9.11 180 top
R16  1M  [R_0402_1005Metric]  42.05 9.11 180 top
U1  ATtiny20-UUR  [WLCSP-12_1.403x1.555mm_Layout6x4_P0.4mm_Stagger]  58.43 5.61 0 top
U2  ATtiny20-UUR  [WLCSP-12_1.403x1.555mm_Layout6x4_P0.4mm_Stagger]  5.93 46.11 0 top
U3  ATtiny20-UUR  [WLCSP-12_1.403x1.555mm_Layout6x4_P0.4mm_Stagger]  23.43 46.11 0 top
U4  ATtiny20-UUR  [WLCSP-12_1.403x1.555mm_Layout6x4_P0.4mm_Stagger]  40.93 46.11 0 top
U5  ATtiny20-UUR  [WLCSP-12_1.403x1.555mm_Layout6x4_P0.4mm_Stagger]  58.43 46.11 0 top
U6  ATtiny20-UUR  [WLCSP-12_1.403x1.555mm_Layout6x4_P0.4mm_Stagger]  5.93 32.61 0 top
U7  ATtiny20-UUR  [WLCSP-12_1.403x1.555mm_Layout6x4_P0.4mm_Stagger]  23.43 32.61 0 top
U8  ATtiny20-UUR  [WLCSP-12_1.403x1.555mm_Layout6x4_P0.4mm_Stagger]  40.93 32.61 0 top
U9  ATtiny20-UUR  [WLCSP-12_1.403x1.555mm_Layout6x4_P0.4mm_Stagger]  58.43 32.61 0 top
U10  ATtiny20-UUR  [WLCSP-12_1.403x1.555mm_Layout6x4_P0.4mm_Stagger]  5.93 19.11 0 top
U11  ATtiny20-UUR  [WLCSP-12_1.403x1.555mm_Layout6x4_P0.4mm_Stagger]  23.43 19.11 0 top
U12  ATtiny20-UUR  [WLCSP-12_1.403x1.555mm_Layout6x4_P0.4mm_Stagger]  40.93 19.11 0 top
U13  ATtiny20-UUR  [WLCSP-12_1.403x1.555mm_Layout6x4_P0.4mm_Stagger]  58.43 19.11 0 top
U14  ATtiny20-UUR  [WLCSP-12_1.403x1.555mm_Layout6x4_P0.4mm_Stagger]  5.93 5.61 0 top
U15  ATtiny20-UUR  [WLCSP-12_1.403x1.555mm_Layout6x4_P0.4mm_Stagger]  23.43 5.61 0 top
U16  ATtiny20-UUR  [WLCSP-12_1.403x1.555mm_Layout6x4_P0.4mm_Stagger]  40.93 5.61 0 top

## Library data of the parts
C1-C16 = -: Description: Unpolarized capacitor; LCSC: C22435938; MANUFACTURER: HRE; PARTREV: CGA0402X7R104K6R3GT; Can Substitute: Yes
D1-D112 = -: Description: Light emitting diode; Sim.Pins: 1=K 2=A; Can Substitute: Yes; LCSC: C779450; MANUFACTURER: TUOZHAN; PARTREV: TZ-P2-0402YTIA1-0.45T
J1 J3 J5 J7 J9 J11 J13 J15 J17 J19 J21 J23 J25 J27 J29 J31 = -: Description: Generic connector, double row, 02x08, counter clockwise pin numbering scheme (similar to DIP package numbering), script generated (kicad-library-utils/schlib/autogen/connector/)
J2 J4 J6 J8 J10 J12 J14 J16 J18 J20 J22 J24 J26 J28 J30 J32 = -: STANDARD: Manufacturer Recommendations
JP1006-JP1065 = -: Description: Solder Jumper, 2-pole, open
R1-R16 = -: Description: Resistor; Can Substitute: Yes; LCSC: C138033; MANUFACTURER: YAGEO; PARTREV: RC0402FR-071ML
U1-U16 = -: Datasheet: http://ww1.microchip.com/downloads/en/DeviceDoc/atmel-8235-8-bit-avr-microcontroller-attiny20_datasheet.pdf; Description: 12MHz, 2kB Flash, 128B SRAM, No EEPROM, WLCSP-12; LCSC: C219130; DigiKey: ATTINY20-UURCT-ND; Can Substitute: No; MANUFACTURER: Microchip

## Footprints (pads in the part's own frame, mm; a bottom-side part is the same pattern mirrored in y, then rotated)
16-pin-clip-dbg
  round 0.6 hole 0.3: 1(-1.15,-0.62) 2(-1.15,-1.87) 3(-1.17,-3.11) 4(-1.15,-4.39) 5(-1.19,-5.7) 6(-1.19,-6.95) 7(-1.21,-8.19) 8(-1.19,-9.47) 9(-1.19,-10.78)
  rrect 1.499x0.533 smd: 1(-0.16,-1.24) 2(-0.16,-2.51) 3(-0.16,-3.78) 4(-0.16,-5.05) 5(-0.16,-6.32) 6(-0.16,-7.59) 7(-0.16,-8.86) 8(-0.16,-10.13)
  rrect 1.499x0.533 smd far side: 9(-0.16,-1.24) 10(-0.16,-2.51) 11(-0.16,-3.78) 12(-0.16,-5.05) 13(-0.16,-6.32) 14(-0.16,-7.59) 15(-0.16,-8.86) 16(-0.16,-10.13)
C_0402_1005Metric
  rrect 0.56x0.62 smd: 1(-0.48,0) 2(0.48,0)
LED_0402_1005Metric
  rrect 0.59x0.64 smd: 1(-0.485,0) 2(0.485,0)
R_0402_1005Metric
  rrect 0.54x0.64 smd: 1(-0.51,0) 2(0.51,0)
sei-105-mating
  rrect 2.6x0.6 smd: 01(-1.13,2) 02(-1.15,1) 03(-1.13,0) 04(-1.13,-1) 05(-1.13,-2)
solderbridge_R_0201_0603Metric_as_solderbridge
  rrect 0.318x0.36 smd: (0.345,0)
  rrect 0.46x0.4 smd: 1(-0.32,0) 2(0.32,0)
WLCSP-12_1.403x1.555mm_Layout6x4_P0.4mm_Stagger
  round 0.215 smd: A1(-0.5,0.52) A3(-0.1,0.52) A5(0.3,0.52) B2(-0.3,0.173) B4(0.1,0.173) B6(0.5,0.173) C1(-0.5,-0.173) C3(-0.1,-0.173) C5(0.3,-0.173) D2(-0.3,-0.52) D4(0.1,-0.52) D6(0.5,-0.52)

## Nets
+5V: C1.1 C2.1 C3.1 C4.1 C5.1 C6.1 C7.1 C8.1 C9.1 C10.1 C11.1 C12.1 C13.1 C14.1 C15.1 C16.1 J1.2 J2.04 J3.2 J4.04 J5.2 J6.04 J7.2 J8.04 J9.2 J10.04 J11.2 J12.04 J13.2 J14.04 J15.2 J16.04 J17.2 J18.04 J19.2 J20.04 J21.2 J22.04 J23.2 J24.04 J25.2 J26.04 J27.2 J28.04 J29.2 J30.04 J31.2 J32.04 JP1007.1 JP1007.2 JP1012.1 JP1012.2 JP1017.1 JP1017.2 JP1022.1 JP1022.2 JP1027.1 JP1027.2 JP1032.1 JP1032.2 JP1037.1 JP1037.2 JP1042.1 JP1042.2 JP1047.1 JP1047.2 JP1052.1 JP1052.2 JP1057.1 JP1057.2 JP1062.1 JP1062.2 R1.2 R2.2 R3.2 R4.2 R5.2 R6.2 R7.2 R8.2 R9.2 R10.2 R11.2 R12.2 R13.2 R14.2 R15.2 R16.2 U1.B6 U2.B6 U3.B6 U4.B6 U5.B6 U6.B6 U7.B6 U8.B6 U9.B6 U10.B6 U11.B6 U12.B6 U13.B6 U14.B6 U15.B6 U16.B6
GND: C1.2 C2.2 C3.2 C4.2 C5.2 C6.2 C7.2 C8.2 C9.2 C10.2 C11.2 C12.2 C13.2 C14.2 C15.2 C16.2 D4.1 D11.1 D18.1 D25.1 D32.1 D39.1 D46.1 D53.1 D60.1 D67.1 D74.1 D81.1 D88.1 D95.1 D102.1 D109.1 J1.1 J2.05 J3.1 J4.05 J5.1 J6.05 J7.1 J8.05 J9.1 J10.05 J11.1 J12.05 J13.1 J14.05 J15.1 J16.05 J17.1 J18.05 J19.1 J20.05 J21.1 J22.05 J23.1 J24.05 J25.1 J26.05 J27.1 J28.05 J29.1 J30.05 J31.1 J32.05 JP1006.1 JP1006.2 JP1011.1 JP1011.2 JP1016.1 JP1016.2 JP1021.1 JP1021.2 JP1026.1 JP1026.2 JP1031.1 JP1031.2 JP1036.1 JP1036.2 JP1041.1 JP1041.2 JP1046.1 JP1046.2 JP1051.1 JP1051.2 JP1056.1 JP1056.2 JP1061.1 JP1061.2 U1.A3 U1.B4 U2.A3 U2.B4 U3.A3 U3.B4 U4.A3 U4.B4 U5.A3 U5.B4 U6.A3 U6.B4 U7.A3 U7.B4 U8.A3 U8.B4 U9.A3 U9.B4 U10.A3 U10.B4 U11.A3 U11.B4 U12.A3 U12.B4 U13.A3 U13.B4 U14.A3 U14.B4 U15.A3 U15.B4 U16.A3 U16.B4
/A: D1.2 D2.2 D3.1 D5.1 D8.2 D9.2 D10.1 D12.1 D15.2 D16.2 D17.1 D19.1 D22.2 D23.2 D24.1 D26.1 D29.2 D30.2 D31.1 D33.1 D36.2 D37.2 D38.1 D40.1 D43.2 D44.2 D45.1 D47.1 D50.2 D51.2 D52.1 D54.1 D57.2 D58.2 D59.1 D61.1 D64.2 D65.2 D66.1 D68.1 D71.2 D72.2 D73.1 D75.1 D78.2 D79.2 D80.1 D82.1 D85.2 D86.2 D87.1 D89.1 D92.2 D93.2 D94.1 D96.1 D99.2 D100.2 D101.1 D103.1 D106.2 D107.2 D108.1 D110.1 U1.B2 U2.B2 U3.B2 U4.B2 U5.B2 U6.B2 U7.B2 U8.B2 U9.B2 U10.B2 U11.B2 U12.B2 U13.B2 U14.B2 U15.B2 U16.B2
/B: D2.1 D5.2 D6.1 D7.2 D9.1 D12.2 D13.1 D14.2 D16.1 D19.2 D20.1 D21.2 D23.1 D26.2 D27.1 D28.2 D30.1 D33.2 D34.1 D35.2 D37.1 D40.2 D41.1 D42.2 D44.1 D47.2 D48.1 D49.2 D51.1 D54.2 D55.1 D56.2 D58.1 D61.2 D62.1 D63.2 D65.1 D68.2 D69.1 D70.2 D72.1 D75.2 D76.1 D77.2 D79.1 D82.2 D83.1 D84.2 D86.1 D89.2 D90.1 D91.2 D93.1 D96.2 D97.1 D98.2 D100.1 D103.2 D104.1 D105.2 D107.1 D110.2 D111.1 D112.2 U1.D2 U2.D2 U3.D2 U4.D2 U5.D2 U6.D2 U7.D2 U8.D2 U9.D2 U10.D2 U11.D2 U12.D2 U13.D2 U14.D2 U15.D2 U16.D2
/C: D1.1 D3.2 D6.2 D7.1 D8.1 D10.2 D13.2 D14.1 D15.1 D17.2 D20.2 D21.1 D22.1 D24.2 D27.2 D28.1 D29.1 D31.2 D34.2 D35.1 D36.1 D38.2 D41.2 D42.1 D43.1 D45.2 D48.2 D49.1 D50.1 D52.2 D55.2 D56.1 D57.1 D59.2 D62.2 D63.1 D64.1 D66.2 D69.2 D70.1 D71.1 D73.2 D76.2 D77.1 D78.1 D80.2 D83.2 D84.1 D85.1 D87.2 D90.2 D91.1 D92.1 D94.2 D97.2 D98.1 D99.1 D101.2 D104.2 D105.1 D106.1 D108.2 D111.2 D112.1 U1.C1 U2.C1 U3.C1 U4.C1 U5.C1 U6.C1 U7.C1 U8.C1 U9.C1 U10.C1 U11.C1 U12.C1 U13.C1 U14.C1 U15.C1 U16.C1
/CENTER: D4.2 D11.2 D18.2 D25.2 D32.2 D39.2 D46.2 D53.2 D60.2 D67.2 D74.2 D81.2 D88.2 D95.2 D102.2 D109.2 U1.A1 U2.A1 U3.A1 U4.A1 U5.A1 U6.A1 U7.A1 U8.A1 U9.A1 U10.A1 U11.A1 U12.A1 U13.A1 U14.A1 U15.A1 U16.A1
/TPICLK: J1.3 J2.03 J3.3 J4.03 J5.3 J6.03 J7.3 J8.03 J9.3 J10.03 J11.3 J12.03 J13.3 J14.03 J15.3 J16.03 J17.3 J18.03 J19.3 J20.03 J21.3 J22.03 J23.3 J24.03 J25.3 J26.03 J27.3 J28.03 J29.3 J30.03 J31.3 J32.03 JP1008.1 JP1008.2 JP1013.1 JP1013.2 JP1018.1 JP1018.2 JP1023.1 JP1023.2 JP1028.1 JP1028.2 JP1033.1 JP1033.2 JP1038.1 JP1038.2 JP1043.1 JP1043.2 JP1048.1 JP1048.2 JP1053.1 JP1053.2 JP1058.1 JP1058.2 JP1063.1 JP1063.2 U1.D6 U2.D6 U3.D6 U4.D6 U5.D6 U6.D6 U7.D6 U8.D6 U9.D6 U10.D6 U11.D6 U12.D6 U13.D6 U14.D6 U15.D6 U16.D6
/TPIDATA: J1.4 J2.02 J3.4 J4.02 J5.4 J6.02 J7.4 J8.02 J9.4 J10.02 J11.4 J12.02 J13.4 J14.02 J15.4 J16.02 J17.4 J18.02 J19.4 J20.02 J21.4 J22.02 J23.4 J24.02 J25.4 J26.02 J27.4 J28.02 J29.4 J30.02 J31.4 J32.02 JP1009.1 JP1009.2 JP1014.1 JP1014.2 JP1019.1 JP1019.2 JP1024.1 JP1024.2 JP1029.1 JP1029.2 JP1034.1 JP1034.2 JP1039.1 JP1039.2 JP1044.1 JP1044.2 JP1049.1 JP1049.2 JP1054.1 JP1054.2 JP1059.1 JP1059.2 JP1064.1 JP1064.2 U1.C5 U2.C5 U3.C5 U4.C5 U5.C5 U6.C5 U7.C5 U8.C5 U9.C5 U10.C5 U11.C5 U12.C5 U13.C5 U14.C5 U15.C5 U16.C5